# Altium PCB PCB_v1_premove.PcbDoc (part 3 of 4)
Units mil, origin at the board's own origin, x right, y up, seen from the top; angles counter-clockwise.
Board outline 27400 x 10355 mil, 4 copper layers (Component Side, Ground Plane, Power Plane, Solder Side), stack 33.234 mil thick; 525 components, 575 nets, 2564 pads, 188 vias.
Unrouted connection lines stored in the file: 1433.
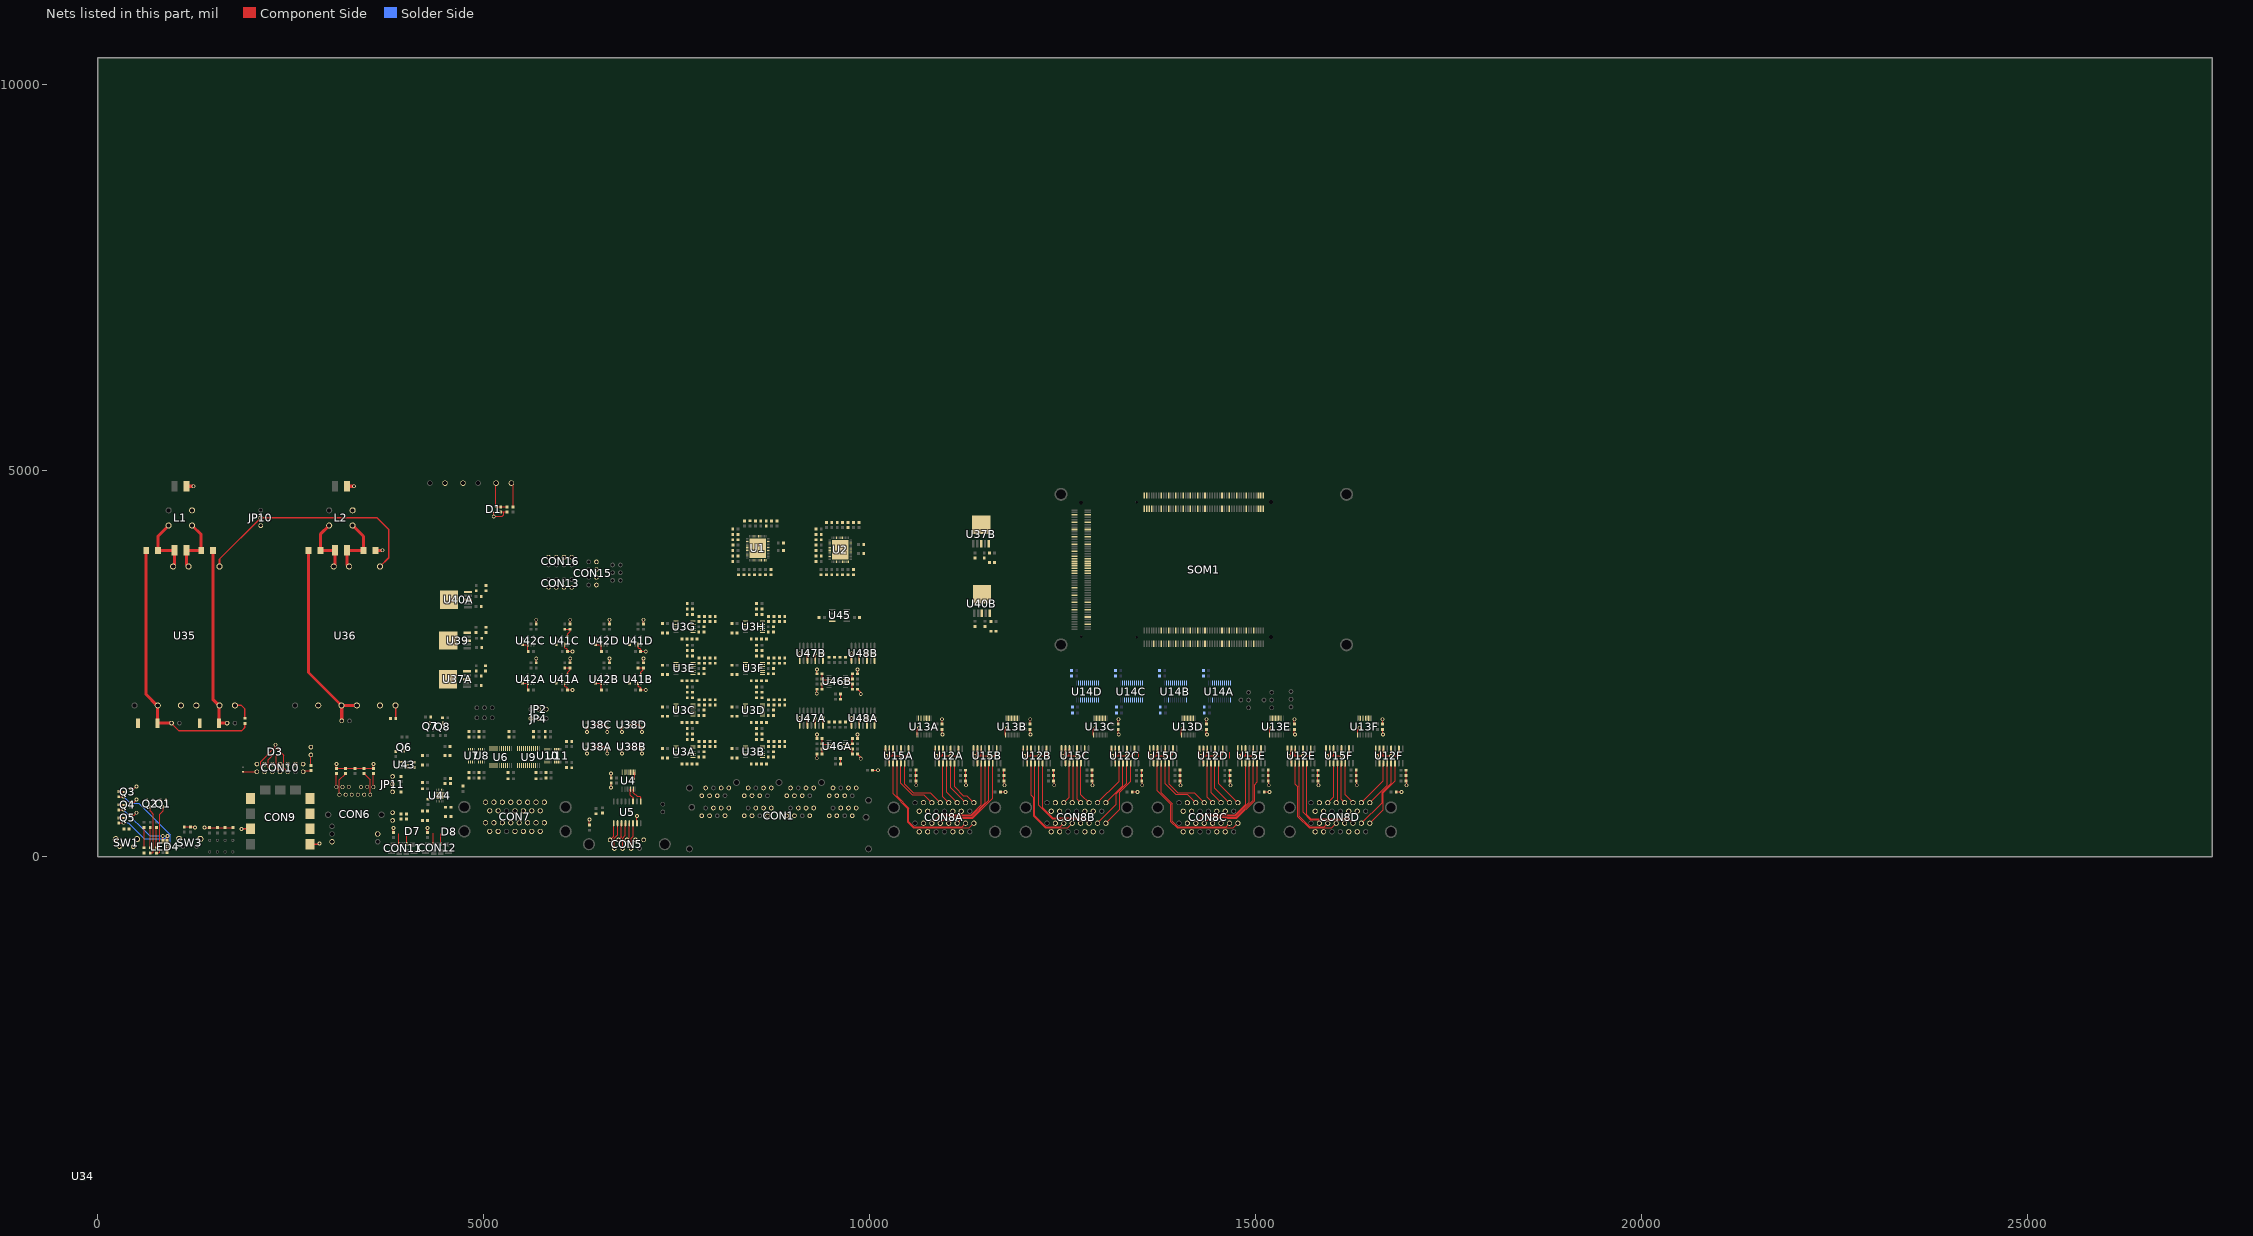
[diagram p5: the nets of this part, all layers, seen from the top]

## Via types
v1: diameter 50, hole 28, Component Side to Solder Side, 184 vias
v2: diameter 25.98, hole 12.99, Component Side to Solder Side, tented top, 4 vias

## Nets (pads, with @x,y where several pads share a name; then routed paths per layer and width w, separated by ;. In a path a pad name is that pad's centre, name@x,y a point inside that pad or via, vN(x,y) a via of type N, cw(c..) or ccw(c..) an arc to the next point about the centre after c; other vN are vias at no path point) (continued)
ALARMD: U4.9 U5.9 | length 216.4
  Component Side w10: U4.9@6938.9,875.75 6938.9,831.1 6990,780 7020,780 7035,765 U5.9@7035,716.73
ALARMZ: U4.7 U5.11 | length 173.7
  Component Side w10: U4.7@6899.53,875.75 6899.53,796.57 6935,761.1 U5.11@6935,716.73
ANLG_N1: CON1.2A U3A.12
ANLG_N2: CON1.8A U3B.12
ANLG_N3: CON1.2B U3C.12
ANLG_N4: CON1.8B U3D.12
ANLG_N5: CON1.2C U3E.12
ANLG_N6: CON1.8C U3F.12
ANLG_N7: CON1.2D U3G.12
ANLG_N8: CON1.8D U3H.12
ANLG_N9: CON1.2E U47A.12 | length 94.5
  Component Side w10: U47A.12@9295,1700.51 v1(9295,1795)
ANLG_N10: CON1.8E U47A.10 | length 94.5
  Component Side w10: U47A.10@9195,1700.51 v1(9195,1795)
ANLG_N11: CON1.2F U48A.12 | length 94.5
  Component Side w10: U48A.12@9965,1700.51 v1(9965,1795)
ANLG_N12: CON1.8F U48A.10 | length 94.5
  Component Side w10: U48A.10@9865,1700.51 v1(9865,1795)
ANLG_N13: CON1.2G U47B.12 | length 94.5
  Component Side w10: U47B.12@9295,2540.51 v1(9295,2635)
ANLG_N14: CON1.8G U47B.10 | length 94.5
  Component Side w10: U47B.10@9195,2540.51 v1(9195,2635)
ANLG_N15: CON1.2H U48B.12 | length 94.5
  Component Side w10: U48B.12@9965,2540.51 v1(9965,2635)
ANLG_N16: CON1.8H U48B.10 | length 94.5
  Component Side w10: U48B.10@9865,2540.51 v1(9865,2635)
ANLG_P1: CON1.1A U3A.3
ANLG_P2: CON1.7A U3B.3
ANLG_P3: CON1.1B U3C.3
ANLG_P4: CON1.7B U3D.3
ANLG_P5: CON1.1C U3E.3
ANLG_P6: CON1.7C U3F.3
ANLG_P7: CON1.1D U3G.3
ANLG_P8: CON1.7D U3H.3
ANLG_P9: CON1.1E U47A.14 | length 94.5
  Component Side w10: U47A.14@9395,1700.51 v1(9395,1795)
ANLG_P10: CON1.7E U47A.8 | length 94.5
  Component Side w10: U47A.8@9095,1700.51 v1(9095,1795)
ANLG_P11: CON1.1F U48A.14 | length 94.5
  Component Side w10: U48A.14@10065,1700.51 v1(10065,1795)
ANLG_P12: CON1.7F U48A.8 | length 94.5
  Component Side w10: U48A.8@9765,1700.51 v1(9765,1795)
ANLG_P13: CON1.1G U47B.14 | length 94.5
  Component Side w10: U47B.14@9395,2540.51 v1(9395,2635)
ANLG_P14: CON1.7G U47B.8 | length 94.5
  Component Side w10: U47B.8@9095,2540.51 v1(9095,2635)
ANLG_P15: CON1.1H U48B.14 | length 94.5
  Component Side w10: U48B.14@10065,2540.51 v1(10065,2635)
ANLG_P16: CON1.7H U48B.8 | length 94.5
  Component Side w10: U48B.8@9765,2540.51 v1(9765,2635)
CARRIER_SRST_N: C50.2 JP9.1 SOM1.JX1-6 SW1.1
CTRL: JP10.2 U35.3 U36.3 | length 3100.8
  Component Side w20: U35.3@1575.71,3759.99 1575.71,3855.71 JP10.2@2110,4390 3620,4390 3770,4240 3770,3874.29 U36.3@3655.71,3760
DRIVE_EN: C51.2 CON2.1 D1.4 R17.2 U12A.2 U12A.4 U12A.6 U12A.10 U12B.2 U12B.4 U12B.6 U12B.10 U12C.2 U12C.4 U12C.6 U12C.10 U12D.2 U12D.4 U12D.6 U12D.10 U12E.2 U12E.4 U12E.6 U12E.10 U12F.2 U12F.4 U12F.6 U12F.10 U15A.2 U15A.4 U15A.6 U15A.10 U15B.2 U15B.4 U15B.6 U15B.10 U15C.2 U15C.4 U15C.6 U15C.10 U15D.2 U15D.4 U15D.6 U15D.10 U15E.2 U15E.4 U15E.6 U15E.10 U15F.2 U15F.4 U15F.6 U15F.10 | length 7688
  Component Side w10: CON2.1@5160,4840 5155.59,4835.59 D1.4@5155.59,4537.4 5216.06,4537.4 C51.2@5220,4533.46 R17.2@5300,4533.46 ; U15A.10@10255,1212.05 10255,1285 10275,1305 10305,1305 ; U15A.6@10305,1401.02 10305,1305 ; U15A.4@10405,1401.02 v1(10405,1305) ; U15A.2@10505,1401.02 10505,1330 10480,1305 v1(10405,1305) ; U12A.10@10900,1210.51 10900,1285 10920,1305 10950,1305 ; U12A.6@10950,1399.49 10950,1305 ; U12A.4@11050,1399.49 v1(11050,1305) ; U12A.2@11150,1399.49 11150,1330 11125,1305 v1(11050,1305) ; U15B.10@11396.54,1212.05 11396.54,1285 11416.54,1305 11446.54,1305 ; U15B.6@11446.54,1401.02 11446.54,1305 ; U15B.4@11546.54,1401.02 v1(11546.54,1305) ; U15B.2@11646.54,1401.02 11646.54,1330 11621.54,1305 v1(11546.54,1305) ; U12B.10@12041.54,1210.51 12041.54,1285 12061.54,1305 12091.54,1305 ; U12B.6@12091.54,1399.49 12091.54,1305 ; U12B.4@12191.54,1399.49 v1(12191.54,1305) ; U12B.2@12291.54,1399.49 12291.54,1330 12266.54,1305 v1(12191.54,1305) ; U15C.10@12538.07,1212.05 12538.07,1285 12558.07,1305 12588.07,1305 ; U15C.6@12588.07,1401.02 12588.07,1305 ; U15C.4@12688.07,1401.02 v1(12688.07,1305) ; U15C.2@12788.07,1401.02 12788.07,1330 12763.07,1305 v1(12688.07,1305) ; U12C.10@13183.07,1210.51 13183.07,1285 13203.07,1305 13233.07,1305 ; U12C.6@13233.07,1399.49 13233.07,1305 ; U12C.4@13333.07,1399.49 v1(13333.07,1305) ; U12C.2@13433.07,1399.49 13433.07,1330 13408.07,1305 v1(13333.07,1305) ; U15D.10@13679.61,1212.05 13679.61,1285 13699.61,1305 13729.61,1305 ; U15D.6@13729.61,1401.02 13729.61,1305 ; U15D.4@13829.61,1401.02 v1(13829.61,1305) ; U15D.2@13929.61,1401.02 13929.61,1330 13904.61,1305 v1(13829.61,1305) ; U12D.10@14324.61,1210.51 14324.61,1285 14344.61,1305 14374.61,1305 ; U12D.6@14374.61,1399.49 14374.61,1305 ; U12D.4@14474.61,1399.49 v1(14474.61,1305) ; U12D.2@14574.61,1399.49 14574.61,1330 14549.61,1305 v1(14474.61,1305) ; U15E.10@14821.14,1212.05 14821.14,1285 14841.14,1305 14871.14,1305 ; U15E.6@14871.14,1401.02 14871.14,1305 ; U15E.4@14971.14,1401.02 v1(14971.14,1305) ; U15E.2@15071.14,1401.02 15071.14,1330 15046.14,1305 v1(14971.14,1305) ; U12E.10@15466.14,1210.51 15466.14,1285 15486.14,1305 15516.14,1305 ; U12E.6@15516.14,1399.49 15516.14,1305 ; U12E.4@15616.14,1399.49 v1(15616.14,1305) ; U12E.2@15716.14,1399.49 15716.14,1330 15691.14,1305 v1(15616.14,1305) ; U15F.10@15962.68,1212.05 15962.68,1285 15982.68,1305 16012.68,1305 ; U15F.6@16012.68,1401.02 16012.68,1305 ; U15F.4@16112.68,1401.02 v1(16112.68,1305) ; U15F.2@16212.68,1401.02 16212.68,1330 16187.68,1305 v1(16112.68,1305) ; U12F.10@16607.68,1210.51 16607.68,1285 16627.68,1305 16657.68,1305 ; U12F.6@16657.68,1399.49 16657.68,1305 ; U12F.4@16757.68,1399.49 v1(16757.68,1305) ; U12F.2@16857.68,1399.49 16857.68,1330 16832.68,1305 v1(16757.68,1305) ; 10305,1305 v1(10405,1305) ; 10950,1305 v1(11050,1305) ; 11446.54,1305 v1(11546.54,1305) ; 12091.54,1305 v1(12191.54,1305) ; 12588.07,1305 v1(12688.07,1305) ; 13233.07,1305 v1(13333.07,1305) ; 13729.61,1305 v1(13829.61,1305) ; 14374.61,1305 v1(14474.61,1305) ; 14871.14,1305 v1(14971.14,1305) ; 15516.14,1305 v1(15616.14,1305) ; 16012.68,1305 v1(16112.68,1305) ; 16657.68,1305 v1(16757.68,1305)
ENC_A: CON5.5 U5.1 | length 235.6
  Component Side w10: CON5.5@6636.89,217.64 6685,265.75 U5.1@6685,433.27
ENC_A\: CON5.9 U5.2 | length 345.5
  Component Side w10: CON5.9@6691.42,105.83 6691.42,241.42 6735,285 U5.2@6735,433.27
ENC_B: CON5.4 U5.3 | length 232.2
  Component Side w10: CON5.4@6745.94,217.64 6785,256.69 6784.47,257.22 6784.47,432.74 U5.3@6785,433.27
ENC_B\: CON5.8 U5.4 | length 341.7
  Component Side w10: CON5.8@6800.47,105.83 6800.47,240.47 6835,275 U5.4@6835,433.27
ENC_Z: CON5.3 U5.5 | length 228.1
  Component Side w10: CON5.3@6855,217.64 6885,247.64 U5.5@6885,433.27
ENC_Z\: CON5.7 U5.6 | length 338
  Component Side w10: CON5.7@6909.53,105.83 6909.53,239.53 6935,265 U5.6@6935,433.27
ETH_MD1_N: CON6.10 SOM1.JX3-53
ETH_MD1_P: CON6.11 SOM1.JX3-51
ETH_MD2_N: CON6.5 SOM1.JX3-54
ETH_MD2_P: CON6.4 SOM1.JX3-52
ETH_MD3_N: CON6.2 SOM1.JX3-59
ETH_MD3_P: CON6.3 SOM1.JX3-57
ETH_MD4_N: CON6.9 SOM1.JX3-60
ETH_MD4_P: CON6.8 SOM1.JX3-58
ETH_PHY_LED0: CON6.13 SOM1.JX3-47
ETH_PHY_LED1: CON6.17 SOM1.JX3-48
FLT_DESAT1: CON8A.10A U14C.21
FLT_DESAT2: CON8A.10B U14C.20
FLT_DESAT3: CON8B.10A U14C.19
FLT_DESAT4: CON8B.10B U14C.18
FLT_DESAT5: CON8C.10A U14C.17
FLT_DESAT6: CON8C.10B U14C.16
FLT_DESAT7: CON8D.10A U14C.15
FLT_DESAT8: CON8D.10B U14C.14
FLT_TEMP1: CON8A.11A U14D.21
FLT_TEMP2: CON8A.11B U14D.20
FLT_TEMP3: CON8B.11A U14D.19
FLT_TEMP4: CON8B.11B U14D.18
FLT_TEMP5: CON8C.11A U14D.17
FLT_TEMP6: CON8C.11B U14D.16
FLT_TEMP7: CON8D.11A U14D.15
FLT_TEMP8: CON8D.11B U14D.14
FPGA_DONE: Q1.1 SOM1.JX1-8
GND: C1.2 C2.2 C3.2 C4.2 C5.2 C6.2 C7.2 C8.2 C9.2 C10.2 C11.2 C12.2 C13.2 C14.2 C15.2 C16.2 C17.2 C18.2 C19.2 C20.2 C21.2 C22.2 C23.2 C24.2 C25.2 C26.2 C27.2 C28.2 C29.2 C30.2 C31.2 C32.2 C33.2 C34.2 C35.2 C36.2 C37.2 C38.2 C39.2 C40.2 C41.2 C42.2 C43.2 C44.2 C45.2 C46.2 C48A.1 C48B.1 C48C.1 C48D.1 C48E.1 C48F.1 C48G.1 C48H.1 C50.1 C51.1 C52.1 C53.2 C54.2 C55.2 C56.2 C57.1 C58.1 C59.1 C60.1 C61.2 C62.2 C63.2 C64.2 C65.2 C66.2 C67.2 C68.2 C69.2 C70.2 C71.2 C72.2 C73.2 C74.2 C75.2 C76.2 C77.2 C78.2 C79.2 C80.2 C81.2 C82.2 C83.2 C84.2 C85A.2 C85B.2 C85C.2 C85D.2 C86A.2 C86B.2 C86C.2 C86D.2 C87A.2 C87B.2 C87C.2 C87D.2 C88A.2 C88B.2 C88C.2 C88D.2 C91A.2 C91B.2 C91C.2 C91D.2 C91E.2 C91F.2 C92A.2 C92B.2 C92C.2 C92D.2 C92E.2 C92F.2 C95A.2 C95B.2 C95C.2 C95D.2 C95E.2 C95F.2 C96A.2 C96B.2 C96C.2 C96D.2 C96E.2 C96F.2 C97A.2 C97B.2 C97C.2 C97D.2 C97E.2 C97F.2 C98A.2 C98B.2 C98C.2 C98D.2 C98E.2 C98F.2 C99A.2 C99B.2 C99C.2 C99D.2 C99E.2 C99F.2 C100A.2 C100B.2 C100C.2 C100D.2 C100E.2 C100F.2 C151.1 C153.2 C155.1 C157A.2 C157B.2 C158A.2 C158B.2 C159A.2 C159B.2 C159C.2 C159D.2 C160A.2 C160B.2 C160C.2 C160D.2 C161.2 C162.2 C163A.2 C163B.2 C164A.2 C164B.2 C165A.1 C165B.1 C165C.1 C165D.1 C166A.1 C166B.1 C166C.1 C166D.1 C167A.2 C167B.2 C167C.2 C167D.2 C168A.2 C168B.2 C168C.2 C168D.2 C169.1 C170.1 C171.1 C172.2 C173.2 C174.1 C175.1 C176.1 C177.2 C178.2 C179A.2 C179B.2 C180A.2 C180B.2 C181A.1 C181B.1 C182A.2 C182B.2 C183A.2 C183B.2 C184A.2 C184B.2 C185A.1 C185B.1 C186A.2 C186B.2 C187A.2 C187B.2 C188A.2 C188B.2 C189A.2 C189B.2 C189C.2 C189D.2 C189E.2 C189F.2 C189G.2 C189H.2 C190A.2 C190B.2 C190C.2 C190D.2 C190E.2 C190F.2 C190G.2 C190H.2 CON1.4A CON1.4B CON1.4C CON1.4D CON1.4E CON1.4F CON1.4G CON1.4H CON1.6A CON1.6B CON1.6C CON1.6D CON1.6E CON1.6F CON1.6G CON1.6H CON3.2 CON4.2 CON5.1 CON5.2 CON7.14A CON7.14B CON7.15A CON7.15B CON8A.7A CON8A.7B CON8A.14A CON8A.14B CON8A.15A CON8A.15B CON8B.7A CON8B.7B CON8B.14A CON8B.14B CON8B.15A CON8B.15B CON8C.7A CON8C.7B CON8C.14A CON8C.14B CON8C.15A CON8C.15B CON8D.7A CON8D.7B CON8D.14A CON8D.14B CON8D.15A CON8D.15B CON9.1 CON9.10 CON10.1 CON10.3 CON10.5 CON10.7 CON10.9 CON10.11 CON10.13 CON11.5 CON12.5 CON13.2 CON13.4 CON13.6 CON13.8 CON15.2 CON15.4 CON15.6 CON15.8 CON16.2 CON16.4 CON16.6 CON16.8 D1.2 D3.2 D7.2 D8.2 JP2.1 JP4.1 JP10.3 L1.1 L2.1 LED3.C Q1.2 Q2.2 Q3.2 Q4.2 Q5.2 R1.1 R17.1 R18.1 R19.1 R20.1 R21.1 R22.1 R23.2 R24.1 R25.2 R26A.1 R26B.1 R26C.1 R26D.1 R28.1 R29.1 R31.2 R33A.2 R33B.2 R35.2 R37A.2 R37B.2 R39A.1 R39B.1 R39C.1 R39D.1 R40A.2 R40B.2 R40C.2 R40D.2 R46.2 R53.2 SOM1.JX1-15 SOM1.JX1-16 SOM1.JX1-21 SOM1.JX1-22 SOM1.JX1-27 SOM1.JX1-28 SOM1.JX1-33 SOM1.JX1-34 SOM1.JX1-39 SOM1.JX1-40 SOM1.JX1-45 SOM1.JX1-46 SOM1.JX1-51 SOM1.JX1-52 SOM1.JX1-65 SOM1.JX1-66 SOM1.JX1-71 SOM1.JX1-72 SOM1.JX1-77 SOM1.JX1-85 SOM1.JX1-86 SOM1.JX1-95 SOM1.JX1-96 SOM1.JX1-97 SOM1.JX1-98 SOM1.JX1-99 SOM1.JX1-100 SOM1.JX2-15 SOM1.JX2-16 SOM1.JX2-21 SOM1.JX2-22 SOM1.JX2-27 SOM1.JX2-28 SOM1.JX2-33 SOM1.JX2-34 SOM1.JX2-39 SOM1.JX2-40 SOM1.JX2-45 SOM1.JX2-46 SOM1.JX2-51 SOM1.JX2-52 SOM1.JX2-65 SOM1.JX2-66 SOM1.JX2-71 SOM1.JX2-72 SOM1.JX2-77 SOM1.JX2-85 SOM1.JX2-86 SOM1.JX2-91 SOM1.JX2-92 SOM1.JX3-6 SOM1.JX3-12 SOM1.JX3-17 SOM1.JX3-18 SOM1.JX3-23 SOM1.JX3-24 SOM1.JX3-29 SOM1.JX3-35 SOM1.JX3-49 SOM1.JX3-50 SOM1.JX3-55 SOM1.JX3-56 SOM1.JX3-61 SOM1.JX3-65 SOM1.JX3-71 SOM1.JX3-72 SOM1.JX3-77 SOM1.JX3-78 SOM1.JX3-83 SOM1.JX3-84 SOM1.JX3-89 SOM1.JX3-90 SOM1.JX3-95 SOM1.JX3-96 SW1.2 SW1.SH SW3.SH U1.3 U1.7 U1.12 U1.18 U1.23 U1.25 U1.26 U1.32 U1.34 U1.38 U1.46 U1.49 U1.53 U2.3 U2.7 U2.12 U2.18 U2.23 U2.25 U2.26 U2.32 U2.34 U2.38 U2.46 U2.49 U2.53 U4.11 U5.7 U6.11 U6.12 U6.13 U6.22 U7.4 U8.4 U9.11 U9.12 U9.13 U9.22 U10.4 U11.4 U12A.7 U12A.8 U12B.7 U12B.8 U12C.7 U12C.8 U12D.7 U12D.8 U12E.7 U12E.8 U12F.7 U12F.8 U13A.11 U13B.11 U13C.11 U13D.11 U13E.11 U13F.11 U14A.11 U14A.12 U14A.13 U14A.22 U14B.2 U14B.11 U14B.12 U14B.13 U14B.22 U14C.2 U14C.11 U14C.12 U14C.13 U14C.22 U14D.2 U14D.11 U14D.12 U14D.13 U14D.22 U15A.7 U15A.8 U15B.7 U15B.8 U15C.7 U15C.8 U15D.7 U15D.8 U15E.7 U15E.8 U15F.7 U15F.8 U34.2 U35.6 U35.7 U36.5 U36.8 U37A.3 U37A.6 U37B.3 U37B.6 U38A.2 U38B.2 U38C.2 U38D.2 U39.3 U39.6 U40A.3 U40A.6 U40B.3 U40B.6 U41A.2 U41B.2 U41C.2 U41D.2 U42A.1 U42B.1 U42C.1 U42D.1 U43.2 U44.3 U44.12 U44.21 U45.4 | length 13521.9
  Component Side w10: Q5.2@430,540 470,540 v1(500,570) ; Q4.2@430,708.42 468.42,708.42 v1(500,740) ; Q3.2@431.34,877.4 467.4,877.4 v1(500,910) ; R18.1@1118.66,386.06 C52.1@1198.66,386.06 1253.94,386.06 v1(1260,380) ; v1(1380,380) 1383.94,376.06 R22.1@1448.66,376.06 R21.1@1548.66,376.06 R20.1@1648.66,376.06 R19.1@1748.66,376.06 ; D3.2@2300,1397.4 v1(2300,1450) ; v1(3090,1200) C57.1@3090,1143.46 C58.1@3210,1143.46 R24.1@3330,1143.46 C59.1@3450,1143.46 C60.1@3570,1143.46 v1(3570,1200) ; R46.2@3830,313.46 v1(3830,370) ; 4000,300 4002.87,297.13 CON11.5@4002.87,164.37 ; R53.2@4270,313.46 v1(4270,370) ; 4445,300 4445.91,299.09 CON12.5@4445.91,165.31 ; D1.2@5130,4462.6 v1(5130,4410) 5240,4410 5260,4430 5260,4466.54 ; C51.1@5220,4466.54 5260,4466.54 ; R17.1@5300,4466.54 5260,4466.54 ; C168A.2@5500,2246.54 5501.89,2248.43 U42A.1@5572.6,2248.43 5572.6,2163.94 C167A.2@5576.54,2160 ; C168C.2@5500,2746.54 5501.89,2748.43 U42C.1@5572.6,2748.43 5572.6,2663.94 C167C.2@5576.54,2660 ; R40A.2@5680,2513.46 v1(5680,2570) ; R40C.2@5680,3013.46 v1(5680,3070) ; U41A.2@6050,2248.43 6050,2210 6060,2200 6070,2200 6083.46,2186.54 C165A.1@6083.46,2160 v1(6150,2160) ; U41C.2@6050,2748.43 6050,2710 6060,2700 6070,2700 6083.46,2686.54 C165C.1@6083.46,2660 v1(6150,2660) ; R39A.1@6120,2513.46 v1(6120,2570) ; R39C.1@6120,3013.46 v1(6120,3070) ; v1(6340,1337.4) C159A.2@6340,1393.94 ; v1(6340,1617.4) C159C.2@6340,1673.94 ; R23.2@6370,410 v1(6370,480) ; U38A.2@6427.68,1427.4 6566.54,1427.4 C160A.2@6600,1393.94 v1(6600,1337.4) ; U38C.2@6427.68,1707.4 6566.54,1707.4 C160C.2@6600,1673.94 v1(6600,1617.4) ; C168B.2@6450,2246.54 6451.89,2248.43 U42B.1@6522.6,2248.43 6522.6,2163.94 C167B.2@6526.54,2160 ; C168D.2@6450,2746.54 6451.89,2748.43 U42D.1@6522.6,2748.43 6522.6,2663.94 C167D.2@6526.54,2660 ; R40B.2@6630,2513.46 v1(6630,2570) ; R40D.2@6630,3013.46 v1(6630,3070) ; v1(6650,895) 6651.54,896.54 C54.2@6651.54,955 ; v1(6650,1080) 6651.54,1078.46 C56.2@6651.54,1020 ; v1(6790,1337.4) C159B.2@6790,1393.94 ; v1(6790,1617.4) C159D.2@6790,1673.94 ; U38B.2@6877.68,1427.4 7016.54,1427.4 C160B.2@7050,1393.94 v1(7050,1337.4) ; U38D.2@6877.68,1707.4 7016.54,1707.4 C160D.2@7050,1673.94 v1(7050,1617.4) ; v1(6935,1010) 6958.58,1033.58 U4.11@6958.58,1094.25 ; U5.7@6985,433.27 v1(6985,525) ; U41B.2@7000,2248.43 7000,2210 7010,2200 7020,2200 7033.46,2186.54 C165B.1@7033.46,2160 v1(7100,2160) ; U41D.2@7000,2748.43 7000,2710 7010,2700 7020,2700 7033.46,2686.54 C165D.1@7033.46,2660 v1(7100,2660) ; R39B.1@7070,2513.46 v1(7070,2570) ; R39D.1@7070,3013.46 v1(7070,3070) ; v1(9315,1275) 9316.54,1276.54 C182A.2@9316.54,1330 ; v1(9315,2115) 9316.54,2116.54 C182B.2@9316.54,2170 ; C181A.1@9316.54,1530 9316.54,1581.54 v1(9320,1585) ; C181B.1@9316.54,2370 9316.54,2421.54 v1(9320,2425) ; C188A.2@9623.46,1200 C187A.2@9623.46,1270 ; C188B.2@9623.46,2040 C187B.2@9623.46,2110 ; C185A.1@9843.46,1330 9885,1288.46 v1(9885,1270) ; C186A.2@9843.46,1530 9845,1531.54 v1(9845,1585) ; C185B.1@9843.46,2170 9885,2128.46 v1(9885,2110) ; C186B.2@9843.46,2370 9845,2371.54 v1(9845,2425) ; R1.1@10038.46,1120 v1(10110,1120) ; U15A.8@10205,1401.02 10205,1320 v1(10220,1305) 10255,1340 U15A.7@10255,1401.02 ; C96A.2@10598.46,1121.02 C98A.2@10598.46,1051.02 C100A.2@10598.46,981.02 10605,974.49 v1(10605,925) ; U13A.11@10616.42,1575.75 10616.42,1646.42 v1(10640,1670) ; U12A.8@10850,1399.49 10850,1320 v1(10865,1305) 10900,1340 U12A.7@10900,1399.49 ; C91A.2@10938.46,1650 10938.46,1591.54 v1(10945,1585) ; C92A.2@10938.46,1720 10938.46,1778.46 v1(10940,1780) ; C95A.2@11243.46,1120 C97A.2@11243.46,1050 C99A.2@11243.46,980 11250,973.46 v1(11250,925) ; U15B.8@11346.54,1401.02 11346.54,1320 v1(11361.54,1305) 11396.54,1340 U15B.7@11396.54,1401.02 ; R26A.1@11693.46,840 v1(11760,840) ; C96B.2@11740,1121.02 C98B.2@11740,1051.02 C100B.2@11740,981.02 11746.54,974.49 v1(11746.54,925) ; U13B.11@11757.95,1575.75 11757.95,1646.42 v1(11781.54,1670) ; U12B.8@11991.54,1399.49 11991.54,1320 v1(12006.54,1305) 12041.54,1340 U12B.7@12041.54,1399.49 ; C91B.2@12080,1650 12080,1591.54 v1(12086.54,1585) ; C92B.2@12080,1720 12080,1778.46 v1(12081.54,1780) ; 12309.61,1275 12309.61,1356.02 ; C95B.2@12385,1120 C97B.2@12385,1050 C99B.2@12385,980 12391.54,973.46 v1(12391.54,925) ; U15C.8@12488.07,1401.02 12488.07,1320 v1(12503.07,1305) 12538.07,1340 U15C.7@12538.07,1401.02 ; C96C.2@12881.54,1121.02 C98C.2@12881.54,1051.02 C100C.2@12881.54,981.02 12888.07,974.49 v1(12888.07,925) ; U13C.11@12899.49,1575.75 12899.49,1646.42 v1(12923.07,1670) ; U12C.8@13133.07,1399.49 13133.07,1320 v1(13148.07,1305) 13183.07,1340 U12C.7@13183.07,1399.49 ; C91C.2@13221.54,1650 13221.54,1591.54 v1(13228.07,1585) ; C92C.2@13221.54,1720 13221.54,1778.46 v1(13223.07,1780) ; R26B.1@13403.46,840 v1(13470,840) ; 13487.68,1275 13487.68,1356.02 ; C95C.2@13526.54,1120 C97C.2@13526.54,1050 C99C.2@13526.54,980 13533.07,973.46 v1(13533.07,925) ; U15D.8@13629.61,1401.02 13629.61,1320 v1(13644.61,1305) 13679.61,1340 U15D.7@13679.61,1401.02 ; C96D.2@14023.07,1121.02 C98D.2@14023.07,1051.02 C100D.2@14023.07,981.02 14029.61,974.49 v1(14029.61,925) ; U13D.11@14041.02,1575.75 14041.02,1646.42 v1(14064.61,1670) ; U12D.8@14274.61,1399.49 14274.61,1320 v1(14289.61,1305) 14324.61,1340 U12D.7@14324.61,1399.49 ; C91D.2@14363.07,1650 14363.07,1591.54 v1(14369.61,1585) ; C92D.2@14363.07,1720 14363.07,1778.46 v1(14364.61,1780) ; 14665.75,1275 14665.75,1356.02 ; C95D.2@14668.07,1120 C97D.2@14668.07,1050 C99D.2@14668.07,980 14674.61,973.46 v1(14674.61,925) ; U15E.8@14771.14,1401.02 14771.14,1320 v1(14786.14,1305) 14821.14,1340 U15E.7@14821.14,1401.02 ; R26C.1@15113.46,840 v1(15180,840) ; C96E.2@15164.61,1121.02 C98E.2@15164.61,1051.02 C100E.2@15164.61,981.02 15171.14,974.49 v1(15171.14,925) ; U13E.11@15182.56,1575.75 15182.56,1646.42 v1(15206.14,1670) ; U12E.8@15416.14,1399.49 15416.14,1320 v1(15431.14,1305) 15466.14,1340 U12E.7@15466.14,1399.49 ; C91E.2@15504.61,1650 15504.61,1591.54 v1(15511.14,1585) ; C92E.2@15504.61,1720 15504.61,1778.46 v1(15506.14,1780) ; C95E.2@15809.61,1120 C97E.2@15809.61,1050 C99E.2@15809.61,980 15816.14,973.46 v1(15816.14,925) ; U15F.8@15912.68,1401.02 15912.68,1320 v1(15927.68,1305) 15962.68,1340 U15F.7@15962.68,1401.02 ; C96F.2@16306.14,1121.02 C98F.2@16306.14,1051.02 C100F.2@16306.14,981.02 16312.68,974.49 v1(16312.68,925) ; U13F.11@16324.09,1575.75 16324.09,1646.42 v1(16347.68,1670) ; U12F.8@16557.68,1399.49 16557.68,1320 v1(16572.68,1305) 16607.68,1340 U12F.7@16607.68,1399.49 ; C91F.2@16646.14,1650 16646.14,1591.54 v1(16652.68,1585) ; C92F.2@16646.14,1720 16646.14,1778.46 v1(16647.68,1780) ; R26D.1@16823.46,840 v1(16890,840) ; C95F.2@16951.14,1120 C97F.2@16951.14,1050 C99F.2@16951.14,980 16957.68,973.46 v1(16957.68,925)
  Component Side w20: v1(1860,360) CON9.10@1980,360 ; CON9.1@2747.72,163.15 2863.15,163.15 v1(2870,170)
  Component Side w40: C151.1@1146.65,4799.99 v1(1240,4800) ; C155.1@3226.65,4799.99 v1(3319.99,4799.99) ; C153.2@3596.65,3969.99 v1(3690,3970)
  other v2: 4406.38,766.38 4453.62,766.38 4406.38,813.62 4453.62,813.62
GPIO_1A: CON7.1A U8.7
GPIO_1B: CON7.1B U11.7
GPIO_2A: CON7.2A U8.6
GPIO_2B: CON7.2B U11.6
GPIO_3A: CON7.3A U7.7
GPIO_3B: CON7.3B U10.7
GPIO_4A: CON7.4A U7.6
GPIO_4B: CON7.4B U10.6
GPIO_5A: CON7.5A U6.17
GPIO_5B: CON7.5B U9.17
GPIO_6A: CON7.6A U6.16
GPIO_6B: CON7.6B U9.16
GPIO_7A: CON7.7A U6.15 | length 2.2
  Component Side w10: CON7.7A@5130.43,707.57 CON7.7A@5132,706
GPIO_7B: CON7.7B U9.15
GPIO_8A: CON7.8A U6.14
GPIO_8B: CON7.8B U9.14
GPIO_9A: CON7.9A U6.21
GPIO_9B: CON7.9B U9.21
GPIO_10A: CON7.10A U6.20
GPIO_10B: CON7.10B U9.20
GPIO_11A: CON7.11A U6.19 | length 9.2
  Component Side w10: CON7.11A@5513.5,594 CON7.11A@5520,600.5
GPIO_11B: CON7.11B U9.19
GPIO_12A: CON7.12A U6.18
GPIO_12B: CON7.12B U9.18
INV1_PWM1: CON8A.1A U12A.14 | length 641.9
  Component Side w10: U12A.14@11100,1210.51 11100,905 11215,790 11261.5,790 CON8A.1A@11351.5,700
INV1_PWM2: CON8A.2A U12A.13 | length 590.2
  Component Side w10: U12A.13@11050,1210.51 11050,892.5 CON8A.2A@11242.5,700
INV1_PWM3: CON8A.3A U12A.12 | length 565.8
  Component Side w10: U12A.12@11000,1210.51 11000,833.5 CON8A.3A@11133.5,700
INV1_PWM4: CON8A.4A U12A.11 | length 541.4
  Component Side w10: U12A.11@10950,1210.51 10950,774.5 CON8A.4A@11024.5,700
INV1_PWM5: CON8A.5A U15A.14 | length 832
  Component Side w10: U15A.14@10455,1212.05 10455,940 10565,830 10785.5,830 CON8A.5A@10915.5,700
INV1_PWM6: CON8A.6A U15A.13 | length 767.1
  Component Side w10: U15A.13@10405,1212.05 10405,950 10550,805 10701.5,805 CON8A.6A@10806.5,700
INV2_PWM1: CON8A.1B U15A.11 | length 1758.7
  Component Side w10: U15A.11@10305,1212.05 10305,812.37 10494,623.37 10494,442.94 10563.44,373.5 11291,373.5 CON8A.1B@11351.5,434
INV2_PWM2: CON8A.2B U15A.12 | length 1602.5
  Component Side w10: U15A.12@10355,1212.05 10355,785 10510,630 10510,449.57 10570.07,389.5 11198,389.5 CON8A.2B@11242.5,434
INV2_PWM3: CON8A.3B U15B.14 | length 1052
  Component Side w10: CON8A.3B@11133.5,434 11195,495.5 11335.31,495.5 11596.54,756.72 U15B.14@11596.54,1212.05
INV2_PWM4: CON8A.4B U15B.13 | length 1127.1
  Component Side w10: CON8A.4B@11024.5,434 11102,511.5 11328.69,511.5 11546.54,729.35 U15B.13@11546.54,1212.05
INV2_PWM5: CON8A.5B U15B.12 | length 1202.1
  Component Side w10: CON8A.5B@10915.5,434 11009,527.5 11322.06,527.5 11496.54,701.98 U15B.12@11496.54,1212.05
INV2_PWM6: CON8A.6B U15B.11 | length 1277.1
  Component Side w10: CON8A.6B@10806.5,434 10916,543.5 11315.43,543.5 11446.54,674.6 U15B.11@11446.54,1212.05
INV3_PWM1: CON8B.1A U12C.12 | length 602.3
  Component Side w10: CON8B.1A@13061.5,700 13283.07,921.57 U12C.12@13283.07,1210.51
INV3_PWM2: CON8B.2A U12C.11 | length 626.7
  Component Side w10: CON8B.2A@12952.5,700 13233.07,980.57 U12C.11@13233.07,1210.51
INV3_PWM3: CON8B.3A U15C.14 | length 555.7
  Component Side w10: U15C.14@12738.07,1212.05 12738.07,805.43 CON8B.3A@12843.5,700
INV3_PWM4: CON8B.4A U15C.13 | length 531.3
  Component Side w10: U15C.13@12688.07,1212.05 12688.07,746.43 CON8B.4A@12734.5,700
INV3_PWM5: CON8B.5A U15C.12 | length 517.3
  Component Side w10: CON8B.5A@12625.5,700 12638.07,712.57 U15C.12@12638.07,1212.05
INV3_PWM6: CON8B.6A U15C.11 | length 541.7
  Component Side w10: CON8B.6A@12516.5,700 12588.07,771.57 U15C.11@12588.07,1212.05
INV4_PWM1: CON8B.1B U12C.14 | length 909.7
  Component Side w10: CON8B.1B@13061.5,434 13240.88,613.38 13240.88,834.12 13383.07,976.32 U12C.14@13383.07,1210.51
INV4_PWM2: CON8B.2B U12C.13 | length 934.1
  Component Side w10: CON8B.2B@12952.5,434 13197.81,679.31 13197.81,813.69 13333.07,948.94 U12C.13@13333.07,1210.51
INV4_PWM3: CON8B.3B U12B.14 | length 1259.8
  Component Side w10: U12B.14@12241.54,1210.51 12241.54,636.53 12373.07,505 12772.5,505 CON8B.3B@12843.5,434
INV4_PWM4: CON8B.4B U12B.13 | length 1184.8
  Component Side w10: U12B.13@12191.54,1210.51 12191.54,663.9 12366.44,489 12679.5,489 CON8B.4B@12734.5,434
INV4_PWM5: CON8B.5B U12B.11 | length 1289.5
  Component Side w10: U12B.11@12091.54,1210.51 12091.54,799 12125.54,765 12125.54,521.4 12273.44,373.5 12565,373.5 CON8B.5B@12625.5,434
INV4_PWM6: CON8B.6B U12B.12 | length 1133.3
  Component Side w10: U12B.12@12141.54,1210.51 12141.54,528.03 12280.07,389.5 12472,389.5 CON8B.6B@12516.5,434
INV5_PWM1: CON8C.1A U12D.14 | length 612.8
  Component Side w10: U12D.14@14524.61,1210.51 14524.61,946.89 CON8C.1A@14771.5,700
INV5_PWM2: CON8C.2A U12D.13 | length 588.3
  Component Side w10: U12D.13@14474.61,1210.51 14474.61,887.89 CON8C.2A@14662.5,700
INV5_PWM3: CON8C.3A U12D.12 | length 563.9
  Component Side w10: U12D.12@14424.61,1210.51 14424.61,828.89 CON8C.3A@14553.5,700
INV5_PWM4: CON8C.4A U12D.11 | length 539.5
  Component Side w10: U12D.11@14374.61,1210.51 14374.61,769.89 CON8C.4A@14444.5,700
INV5_PWM5: CON8C.5A U15D.14 | length 826.5
  Component Side w10: U15D.14@13879.61,1212.05 13879.61,941.39 13995,826 14209.5,826 CON8C.5A@14335.5,700
INV5_PWM6: CON8C.6A U15D.13 | length 765.2
  Component Side w10: U15D.13@13829.61,1212.05 13829.61,945.39 13965,810 14116.5,810 CON8C.6A@14226.5,700
INV6_PWM1: CON8C.1B U15D.11 | length 1756.8
  Component Side w10: U15D.11@13729.61,1212.05 13729.61,852.77 13904,678.37 13904,452.94 13983.44,373.5 14711,373.5 CON8C.1B@14771.5,434
INV6_PWM2: CON8C.2B U15D.12 | length 1600.6
  Component Side w10: U15D.12@13779.61,1212.05 13779.61,825.39 13920,685 13920,459.57 13990.07,389.5 14618,389.5 CON8C.2B@14662.5,434
INV6_PWM3: CON8C.3B U15E.14 | length 1053.9
  Component Side w10: CON8C.3B@14553.5,434 14615,495.5 14755.31,495.5 14987.14,727.33 14987.14,935 15021.14,969 U15E.14@15021.14,1212.05
INV6_PWM4: CON8C.4B U15E.13 | length 1129
  Component Side w10: CON8C.4B@14444.5,434 14522,511.5 14748.69,511.5 14971.14,733.95 U15E.13@14971.14,1212.05
INV6_PWM5: CON8C.5B U15E.12 | length 1204
  Component Side w10: CON8C.5B@14335.5,434 14429,527.5 14742.06,527.5 14921.14,706.58 U15E.12@14921.14,1212.05
INV6_PWM6: CON8C.6B U15E.11 | length 1279
  Component Side w10: CON8C.6B@14226.5,434 14336,543.5 14735.43,543.5 14871.14,679.21 U15E.11@14871.14,1212.05
INV7_PWM1: CON8D.1A U12F.12 | length 604.2
  Component Side w10: CON8D.1A@16481.5,700 16707.68,926.18 U12F.12@16707.68,1210.51
INV7_PWM2: CON8D.2A U12F.11 | length 628.6
  Component Side w10: CON8D.2A@16372.5,700 16657.68,985.18 U12F.11@16657.68,1210.51
INV7_PWM3: CON8D.3A U15F.14 | length 553.8
  Component Side w10: U15F.14@16162.68,1212.05 16162.68,800.82 CON8D.3A@16263.5,700
INV7_PWM4: CON8D.4A U15F.13 | length 529.4
  Component Side w10: U15F.13@16112.68,1212.05 16112.68,741.82 CON8D.4A@16154.5,700
INV7_PWM5: CON8D.5A U15F.12 | length 519.2
  Component Side w10: CON8D.5A@16045.5,700 16062.68,717.18 U15F.12@16062.68,1212.05
INV7_PWM6: CON8D.6A U15F.11 | length 543.6
  Component Side w10: CON8D.6A@15936.5,700 16012.68,776.18 U15F.11@16012.68,1212.05
INV8_PWM1: CON8D.1B U12F.14 | length 911.6
  Component Side w10: CON8D.1B@16481.5,434 16655.56,608.06 16655.56,828.81 16807.68,980.92 U12F.14@16807.68,1210.51
INV8_PWM2: CON8D.2B U12F.13 | length 936.1
  Component Side w10: CON8D.2B@16372.5,434 16639.56,701.06 16639.56,835.44 16757.68,953.55 U12F.13@16757.68,1210.51
INV8_PWM3: CON8D.3B U12E.14 | length 1308
  Component Side w10: U12E.14@15666.14,1210.51 15666.14,546.49 15718.13,494.5 16203,494.5 CON8D.3B@16263.5,434
INV8_PWM4: CON8D.4B U12E.13 | length 1232.9
  Component Side w10: U12E.13@15616.14,1210.51 15616.14,573.86 15711.5,478.5 16110,478.5 CON8D.4B@16154.5,434
INV8_PWM5: CON8D.5B U12E.11 | length 1287.6
  Component Side w10: U12E.11@15516.14,1210.51 15516.14,939 15550.14,905 15550.14,516.8 15693.44,373.5 15985,373.5 CON8D.5B@16045.5,434
INV8_PWM6: CON8D.6B U12E.12 | length 1131.4
  Component Side w10: U12E.12@15566.14,1210.51 15566.14,523.43 15700.07,389.5 15892,389.5 CON8D.6B@15936.5,434
JTAG_TCK: CON9.2 CON10.6 D3.4 SOM1.JX1-1 | length 270
  Component Side w10: CON10.6@2260,1100 2210,1150 2210,1258.19 D3.4@2274.41,1322.6
JTAG_TDI: CON9.3 CON10.10 D3.1 SOM1.JX1-4 | length 353.1
  Component Side w10: D3.1@2325.59,1397.4 2410,1312.99 2410,1150 CON10.10@2460,1100
JTAG_TDO: CON9.8 CON10.8 D3.5 SOM1.JX1-3 | length 249.8
  Component Side w10: D3.5@2325.59,1322.6 2310,1307.01 2310,1150 CON10.8@2360,1100
JTAG_TMS: CON9.4 CON10.4 D3.3 SOM1.JX1-2 | length 386.2
  Component Side w10: CON10.4@2160,1100 2110,1150 2110,1232.99 D3.3@2274.41,1397.4
LV_ALARMA: U4.19
LV_ALARMB: U4.17
LV_ALARMD: U4.12
LV_ALARMZ: U4.14
LV_ENC_A: U4.18
LV_ENC_B: U4.15
LV_ENC_Z: U4.13
LV_FLT_DESAT1: U14C.3
LV_FLT_DESAT2: U14C.4
LV_FLT_DESAT3: U14C.5
LV_FLT_DESAT4: U14C.6
LV_FLT_DESAT5: U14C.7
LV_FLT_DESAT6: U14C.8
LV_FLT_DESAT7: U14C.9
LV_FLT_DESAT8: U14C.10
LV_FLT_TEMP1: U14D.3
LV_FLT_TEMP2: U14D.4
LV_FLT_TEMP3: U14D.5
LV_FLT_TEMP4: U14D.6
LV_FLT_TEMP5: U14D.7
LV_FLT_TEMP6: U14D.8
LV_FLT_TEMP7: U14D.9
LV_FLT_TEMP8: U14D.10
LV_GPIO_A1: U8.2
LV_GPIO_A2: U8.3
LV_GPIO_A3: U7.2
LV_GPIO_A4: U7.3
LV_GPIO_A5: U6.7
LV_GPIO_A6: U6.8
LV_GPIO_A7: U6.9
LV_GPIO_A8: U6.10
LV_GPIO_A9: U6.3
LV_GPIO_A10: U6.4
LV_GPIO_A11: U6.5
LV_GPIO_A12: U6.6
LV_GPIO_B1: U11.2
LV_GPIO_B2: U11.3
LV_GPIO_B3: U10.2
LV_GPIO_B4: U10.3
LV_GPIO_B5: U9.7
LV_GPIO_B6: U9.8
LV_GPIO_B7: U9.9
LV_GPIO_B8: U9.10
LV_GPIO_B9: U9.3
LV_GPIO_B10: U9.4
LV_GPIO_B11: U9.5
LV_GPIO_B12: U9.6
LV_GPIO_DIR1: U8.5
LV_GPIO_DIR2: U7.5
LV_GPIO_DIR3: U11.5
LV_GPIO_DIR4: U10.5
LV_INV1_PWM1: U13A.2
LV_INV1_PWM2: U13A.3
LV_INV1_PWM3: U13A.4
LV_INV1_PWM4: U13A.5
LV_INV1_PWM5: U13A.6
LV_INV1_PWM6: U13A.7
LV_INV2_PWM1: U13A.9
LV_INV2_PWM2: U13A.8
LV_INV2_PWM3: U13B.6
LV_INV2_PWM4: U13B.7
LV_INV2_PWM5: U13B.8
LV_INV2_PWM6: U13B.9
LV_INV3_PWM1: U13C.4
LV_INV3_PWM2: U13C.5
LV_INV3_PWM3: U13C.6
LV_INV3_PWM4: U13C.7
LV_INV3_PWM5: U13C.8
LV_INV3_PWM6: U13C.9
LV_INV4_PWM1: U13C.2
LV_INV4_PWM2: U13C.3
LV_INV4_PWM3: U13B.2
LV_INV4_PWM4: U13B.3
LV_INV4_PWM5: U13B.5
LV_INV4_PWM6: U13B.4
LV_INV5_PWM1: U13D.2
LV_INV5_PWM2: U13D.3
LV_INV5_PWM3: U13D.4
LV_INV5_PWM4: U13D.5
LV_INV5_PWM5: U13D.6
LV_INV5_PWM6: U13D.7
LV_INV6_PWM1: U13D.9
LV_INV6_PWM2: U13D.8
LV_INV6_PWM3: U13E.6
LV_INV6_PWM4: U13E.7
LV_INV6_PWM5: U13E.8
LV_INV6_PWM6: U13E.9
LV_INV7_PWM1: U13F.4
LV_INV7_PWM2: U13F.5
LV_INV7_PWM3: U13F.6
LV_INV7_PWM4: U13F.7
LV_INV7_PWM5: U13F.8
LV_INV7_PWM6: U13F.9
LV_INV8_PWM1: U13F.2
LV_INV8_PWM2: U13F.3
LV_INV8_PWM3: U13E.2
LV_INV8_PWM4: U13E.3
LV_INV8_PWM5: U13E.5
LV_INV8_PWM6: U13E.4
LV_R\S\T\1: U14A.3
LV_R\S\T\2: U14A.4
LV_R\S\T\3: U14A.5
LV_R\S\T\4: U14A.6
LV_R\S\T\5: U14A.7
LV_R\S\T\6: U14A.8
LV_R\S\T\7: U14A.9
LV_R\S\T\8: U14A.10
LV_RDY1: U14B.3
LV_RDY2: U14B.4
LV_RDY3: U14B.5
LV_RDY4: U14B.6
LV_RDY5: U14B.7
LV_RDY6: U14B.8
LV_RDY7: U14B.9
LV_RDY8: U14B.10
LV_VCCIO_EN: SOM1.JX2-10 U34.3
NetC19_1: C19.1 U1.45
NetC20_1: C20.1 U1.6
NetC21_1: C21.1 U1.9
NetC22_1: C22.1 U1.22
NetC23_1: C23.1 U1.8
NetC29_1: C29.1 U2.45
NetC30_1: C30.1 U2.6
NetC36_1: C36.1 U2.9
NetC41_1: C41.1 U2.22
NetC42_1: C42.1 U2.8
NetC47A_1: C47A.1 R4A.1 R6A.2 U3A.2
NetC47A_2: C47A.2 R2A.1 R4A.2 U3A.1
NetC47B_1: C47B.1 R4B.1 R6B.2 U3B.2
NetC47B_2: C47B.2 R2B.1 R4B.2 U3B.1
NetC47C_1: C47C.1 R4C.1 R6C.2 U3C.2
NetC47C_2: C47C.2 R2C.1 R4C.2 U3C.1
NetC47D_1: C47D.1 R4D.1 R6D.2 U3D.2
NetC47D_2: C47D.2 R2D.1 R4D.2 U3D.1
NetC47E_1: C47E.1 R4E.1 R6E.2 U3E.2
NetC47E_2: C47E.2 R2E.1 R4E.2 U3E.1
NetC47F_1: C47F.1 R4F.1 R6F.2 U3F.2
NetC47F_2: C47F.2 R2F.1 R4F.2 U3F.1
NetC47G_1: C47G.1 R4G.1 R6G.2 U3G.2
NetC47G_2: C47G.2 R2G.1 R4G.2 U3G.1
NetC47H_1: C47H.1 R4H.1 R6H.2 U3H.2
NetC47H_2: C47H.2 R2H.1 R4H.2 U3H.1
NetC48A_2: C48A.2 R5A.2 U3A.5
NetC48B_2: C48B.2 R5B.2 U3B.5
NetC48C_2: C48C.2 R5C.2 U3C.5
NetC48D_2: C48D.2 R5D.2 U3D.5
NetC48E_2: C48E.2 R5E.2 U3E.5
NetC48F_2: C48F.2 R5F.2 U3F.5
NetC48G_2: C48G.2 R5G.2 U3G.5
NetC48H_2: C48H.2 R5H.2 U3H.5
NetC49A_1: C49A.1 R6A.1 R7A.1 U3A.13
NetC49A_2: C49A.2 R7A.2 R8A.1 U3A.14
NetC49B_1: C49B.1 R6B.1 R7B.1 U3B.13
NetC49B_2: C49B.2 R7B.2 R8B.1 U3B.14
NetC49C_1: C49C.1 R6C.1 R7C.1 U3C.13
NetC49C_2: C49C.2 R7C.2 R8C.1 U3C.14
NetC49D_1: C49D.1 R6D.1 R7D.1 U3D.13
NetC49D_2: C49D.2 R7D.2 R8D.1 U3D.14
NetC49E_1: C49E.1 R6E.1 R7E.1 U3E.13
NetC49E_2: C49E.2 R7E.2 R8E.1 U3E.14
NetC49F_1: C49F.1 R6F.1 R7F.1 U3F.13
NetC49F_2: C49F.2 R7F.2 R8F.1 U3F.14
NetC49G_1: C49G.1 R6G.1 R7G.1 U3G.13
NetC49G_2: C49G.2 R7G.2 R8G.1 U3G.14
NetC49H_1: C49H.1 R6H.1 R7H.1 U3H.13
NetC49H_2: C49H.2 R7H.2 R8H.1 U3H.14
NetC57_2: C57.2 CON6.12 | length 173.1
  Component Side w10: CON6.12@3090,903.46 C57.2@3090,1076.54
NetC58_2: C58.2 CON6.6 | length 306.2
  Component Side w10: CON6.6@3130.08,803.46 3130.08,996.61 C58.2@3210,1076.54
NetC59_2: C59.2 CON6.1 | length 306.2
  Component Side w10: C59.2@3450,1076.54 3530,996.54 CON6.1@3530,803.46
NetC60_2: C60.2 CON6.7 | length 173.1
  Component Side w10: CON6.7@3570,903.46 C60.2@3570,1076.54
NetC149_1: C149.1 C152.1 L1.2 U35.2 | length 783.8
  Component Side w40: U35.2@1175.71,3759.99 1146.65,3789.05 C152.1@1146.65,3969.99 C149.1@1338.23,3969.99 1338.23,4174.08 L1.2@1220.75,4291.57
NetC149_2: C149.2 JP14.1 R28.2 U35.8 | length 2376.8
  Component Side w40: C149.2@1493.19,3969.99 1493.19,2033.53 1571.22,1955.5 R28.2@1571.22,1729.99 JP14.1@1675.71,1730
NetC150_1: C150.1 C152.2 L1.3 U35.1 | length 805.9
  Component Side w40: L1.3@917.6,4291.57 780.67,4154.64 C150.1@780.67,3969.99 C152.2@991.69,3969.99 991.69,3775.97 U35.1@975.71,3759.99
NetC150_2: C150.2 JP13.2 R29.2 R30.2 U35.5 | length 3549.3
  Component Side w20: JP13.2@955.71,1730 955.71,1724.29 1050,1630 1860,1630 1905.71,1675.71 R30.2@1905.71,1726.54
  Component Side w40: C150.2@625.71,3969.99 625.71,2101.01 771.22,1955.5 R29.2@771.22,1730 JP13.2@955.71,1730
NetC153_1: C153.1 C156.1 L2.2 U36.2 | length 817
  Component Side w40: U36.2@3255.71,3760 3226.65,3789.06 C156.1@3226.65,3969.99 C153.1@3441.69,3969.99 3441.69,4150.62 L2.2@3300.75,4291.57
NetC154_1: C154.1 C156.2 L2.3 U36.1 | length 774.1
  Component Side w40: L2.3@2997.6,4291.57 2883.19,4177.16 C154.1@2883.19,3969.99 C156.2@3071.69,3969.99 3071.69,3775.98 U36.1@3055.71,3760
NetC154_2: C154.2 JP15.1 U36.6 U36.7 | length 2588.8
  Component Side w40: C154.2@2728.23,3969.99 2728.23,2387.48 U36.6@3155.71,1960 ; JP15.1@3160,1760 3160,1955.71 U36.6@3155.71,1960 ; U36.7@3355.71,1960 U36.6@3155.71,1960
NetC169_2: C169.2 CON11.1 D7.4 JP11.2 JP12.1 U43.1 | length 135.8
  Component Side w10: 3900,300 3900.51,299.49 CON11.1@3900.51,164.37
NetC170_2: C170.2 C171.2 JP12.2
NetC172_1: C172.1 C173.1 CON12.1 D8.1 R52.2 U44.7 | length 141.2
  Component Side w10: 4340,305 4343.54,301.46 CON12.1@4343.54,165.31
NetC174_2: C174.2 C175.2 U44.6
NetC176_2: C176.2 R56.2 U44.9
NetC181A_2: C181A.2 R57A.2 U46A.3 | length 157.2
  Component Side w10: C181A.2@9383.46,1530 R57A.2@9383.46,1463.33 9391.21,1455.59 U46A.3@9470.75,1455.59
NetC181B_2: C181B.2 R57B.2 U46B.3 | length 157.2
  Component Side w10: C181B.2@9383.46,2370 R57B.2@9383.46,2303.33 9391.21,2295.59 U46B.3@9470.75,2295.59
NetC182A_1: C182A.1 R58A.2 U46A.5 | length 157.2
  Component Side w10: C182A.1@9383.46,1330 R58A.2@9383.46,1396.67 9391.21,1404.41 U46A.5@9470.75,1404.41
NetC182B_1: C182B.1 R58B.2 U46B.5 | length 157.2
  Component Side w10: C182B.1@9383.46,2170 R58B.2@9383.46,2236.67 9391.21,2244.41 U46B.5@9470.75,2244.41
NetC185A_2: C185A.2 R59A.2 U46A.10 | length 157.2
  Component Side w10: U46A.10@9689.25,1404.41 9768.79,1404.41 R59A.2@9776.54,1396.67 C185A.2@9776.54,1330
NetC185B_2: C185B.2 R59B.2 U46B.10 | length 157.2
  Component Side w10: U46B.10@9689.25,2244.41 9768.79,2244.41 R59B.2@9776.54,2236.67 C185B.2@9776.54,2170
NetC186A_1: C186A.1 R60A.2 U46A.12 | length 157.2
  Component Side w10: U46A.12@9689.25,1455.59 9768.79,1455.59 R60A.2@9776.54,1463.33 C186A.1@9776.54,1530
NetC186B_1: C186B.1 R60B.2 U46B.12 | length 157.2
  Component Side w10: U46B.12@9689.25,2295.59 9768.79,2295.59 R60B.2@9776.54,2303.33 C186B.1@9776.54,2370
NetCON2_2: CON2.2 R13.2 | length 316.1
  Component Side w10: CON2.2@5356.85,4840 5380,4816.85 R13.2@5380,4533.46
NetCON10_2: CON10.2 D2.C | length 181
  Component Side w10: D2.C@1880,1102.44 2057.56,1102.44 CON10.2@2060,1100
NetCON10_14: CON10.14 R27.2 | length 106.8
  Component Side w10: CON10.14@2660,1100 2676.54,1116.54 R27.2@2760,1116.54
NetJP2_2: JP2.2 U6.2
NetJP4_2: JP4.2 U9.2
NetJP9_2: JP9.2 R27.1 | length 136.5
  Component Side w10: R27.1@2760,1183.46 JP9.2@2760,1320
NetJP11_1: JP11.1 R42.2
NetJP11_3: JP11.3 R43.2
NetLED1_A: LED1.A R10.1 | length 263.1
  Component Side w10: LED1.A@758.66,116.06 R10.1@758.66,379.13
NetLED1_C: LED1.C Q1.3 | length 652.8
  Component Side w10: LED1.C@758.66,49.13 789.13,49.13 800,60 800,550 847.4,597.4 Q1.3@847.4,647.32
NetLED2_A: LED2.A R11.1 | length 263.1
  Component Side w10: LED2.A@678.66,116.06 R11.1@678.66,379.13
NetLED2_C: LED2.C Q2.3 | length 650.8
  Component Side w10: Q2.3@677.4,647.32 677.4,592.6 720,550 720,60 709.13,49.13 LED2.C@678.66,49.13
NetLED3_A: LED3.A R12.1 | length 263.1
  Component Side w10: LED3.A@598.66,116.06 R12.1@598.66,379.13
NetLED4_2: LED4.2 R14.2 | length 1110.6
  Component Side w10: R14.2@270,776.54 326.54,776.54 v1(330,780) ; LED4.2@897.56,61.1 900,63.54 v1(900,130)
  Solder Side w10: v1(330,780) 419.5,690.5 528.99,690.5 935,284.5 935,165 v1(900,130)
NetLED4_3: LED4.3 R15.2 | length 784.4
  Component Side w10: R15.2@270,606.54 326.54,606.54 v1(330,610) ; v1(840,270) 842.44,267.56 LED4.3@842.44,198.9
  Solder Side w10: v1(330,610) 670,270 v1(840,270)
NetLED4_4: LED4.4 R16.2 | length 803
  Component Side w10: R16.2@270,436.54 326.54,436.54 v1(330,440) ; LED4.4@897.56,198.9 897.56,267.56 v1(900,270)
  Solder Side w10: v1(330,440) 394.76,440 599.76,235 865,235 v1(900,270)
NetLED5_A: LED5.A R49.1
NetLED5_C: LED5.C U44.14
NetLED6_C: LED6.C R54.1
NetLED7_C: LED7.C R55.1
NetQ3_3: Q3.3 R14.1 | length 80.1
  Component Side w10: R14.1@270,843.46 273.46,840 Q3.3@348.66,840
NetQ4_3: Q4.3 R15.1 | length 78.3
  Component Side w10: R15.1@270,673.46 272.45,671.01 Q4.3@347.32,671.01
NetQ5_3: Q5.3 R16.1 | length 77.7
  Component Side w10: R16.1@270,503.46 270.87,502.6 Q5.3@347.32,502.6
NetQ6_3: Q6.3 R45.1 U43.4
NetQ7_3: Q7.3 R48.1 U44.17
NetQ8_3: Q8.3 R51.1 U44.18
NetR2A_2: R2A.2 R3A.1 U3A.9
NetR2B_2: R2B.2 R3B.1 U3B.9
NetR2C_2: R2C.2 R3C.1 U3C.9
NetR2D_2: R2D.2 R3D.1 U3D.9
NetR2E_2: R2E.2 R3E.1 U3E.9
NetR2F_2: R2F.2 R3F.1 U3F.9
NetR2G_2: R2G.2 R3G.1 U3G.9
NetR2H_2: R2H.2 R3H.1 U3H.9
NetR3A_2: R3A.2 R5A.1 U3A.8
NetR3B_2: R3B.2 R5B.1 U3B.8
NetR3C_2: R3C.2 R5C.1 U3C.8
NetR3D_2: R3D.2 R5D.1 U3D.8
NetR3E_2: R3E.2 R5E.1 U3E.8
NetR3F_2: R3F.2 R5F.1 U3F.8
NetR3G_2: R3G.2 R5G.1 U3G.8
NetR3H_2: R3H.2 R5H.1 U3H.8
NetR8A_2: R8A.2 R9A.1 U3A.10
NetR8B_2: R8B.2 R9B.1 U3B.10
NetR8C_2: R8C.2 R9C.1 U3C.10
NetR8D_2: R8D.2 R9D.1 U3D.10
NetR8E_2: R8E.2 R9E.1 U3E.10
NetR8F_2: R8F.2 R9F.1 U3F.10
NetR8G_2: R8G.2 R9G.1 U3G.10
NetR8H_2: R8H.2 R9H.1 U3H.10
NetR30_1: R30.1 U35.9 | length 269.8
  Component Side w20: U35.9@1775.71,1959.99 1860.01,1959.99 1905.71,1914.29 R30.1@1905.71,1793.46
NetR31_1: R31.1 U36.9 | length 171.4
  Component Side w20: U36.9@3855.71,1960 3859.17,1956.54 R31.1@3859.17,1789.99
NetR32A_2: R32A.2 R33A.1 U37A.5
NetR32B_2: R32B.2 R33B.1 U37B.5
NetR34_2: R34.2 R35.1 U39.5
NetR36A_2: R36A.2 R37A.1 U40A.5
NetR36B_2: R36B.2 R37B.1 U40B.5
NetR38A_1: R38A.1 R39A.2 U41A.4 | length 178.5
  Component Side w10: R38A.1@6050,2446.54 R39A.2@6120,2446.54 6120,2420 6087.4,2387.4 U41A.4@6087.4,2351.57
NetR38B_1: R38B.1 R39B.2 U41B.4 | length 178.5
  Component Side w10: R38B.1@7000,2446.54 R39B.2@7070,2446.54 7070,2420 7037.4,2387.4 U41B.4@7037.4,2351.57
NetR38C_1: R38C.1 R39C.2 U41C.4 | length 178.5
  Component Side w10: R38C.1@6050,2946.54 R39C.2@6120,2946.54 6120,2920 6087.4,2887.4 U41C.4@6087.4,2851.57